# Altium PCB RoboFly.PcbDoc (part 2 of 2)
Units mm, origin at the board's own origin, x right, y up, seen from the top; angles counter-clockwise.
Board outline 75 x 75 mm, 2 copper layers (Top Layer, Bottom Layer); 111 components, 67 nets, 308 pads, 353 vias.
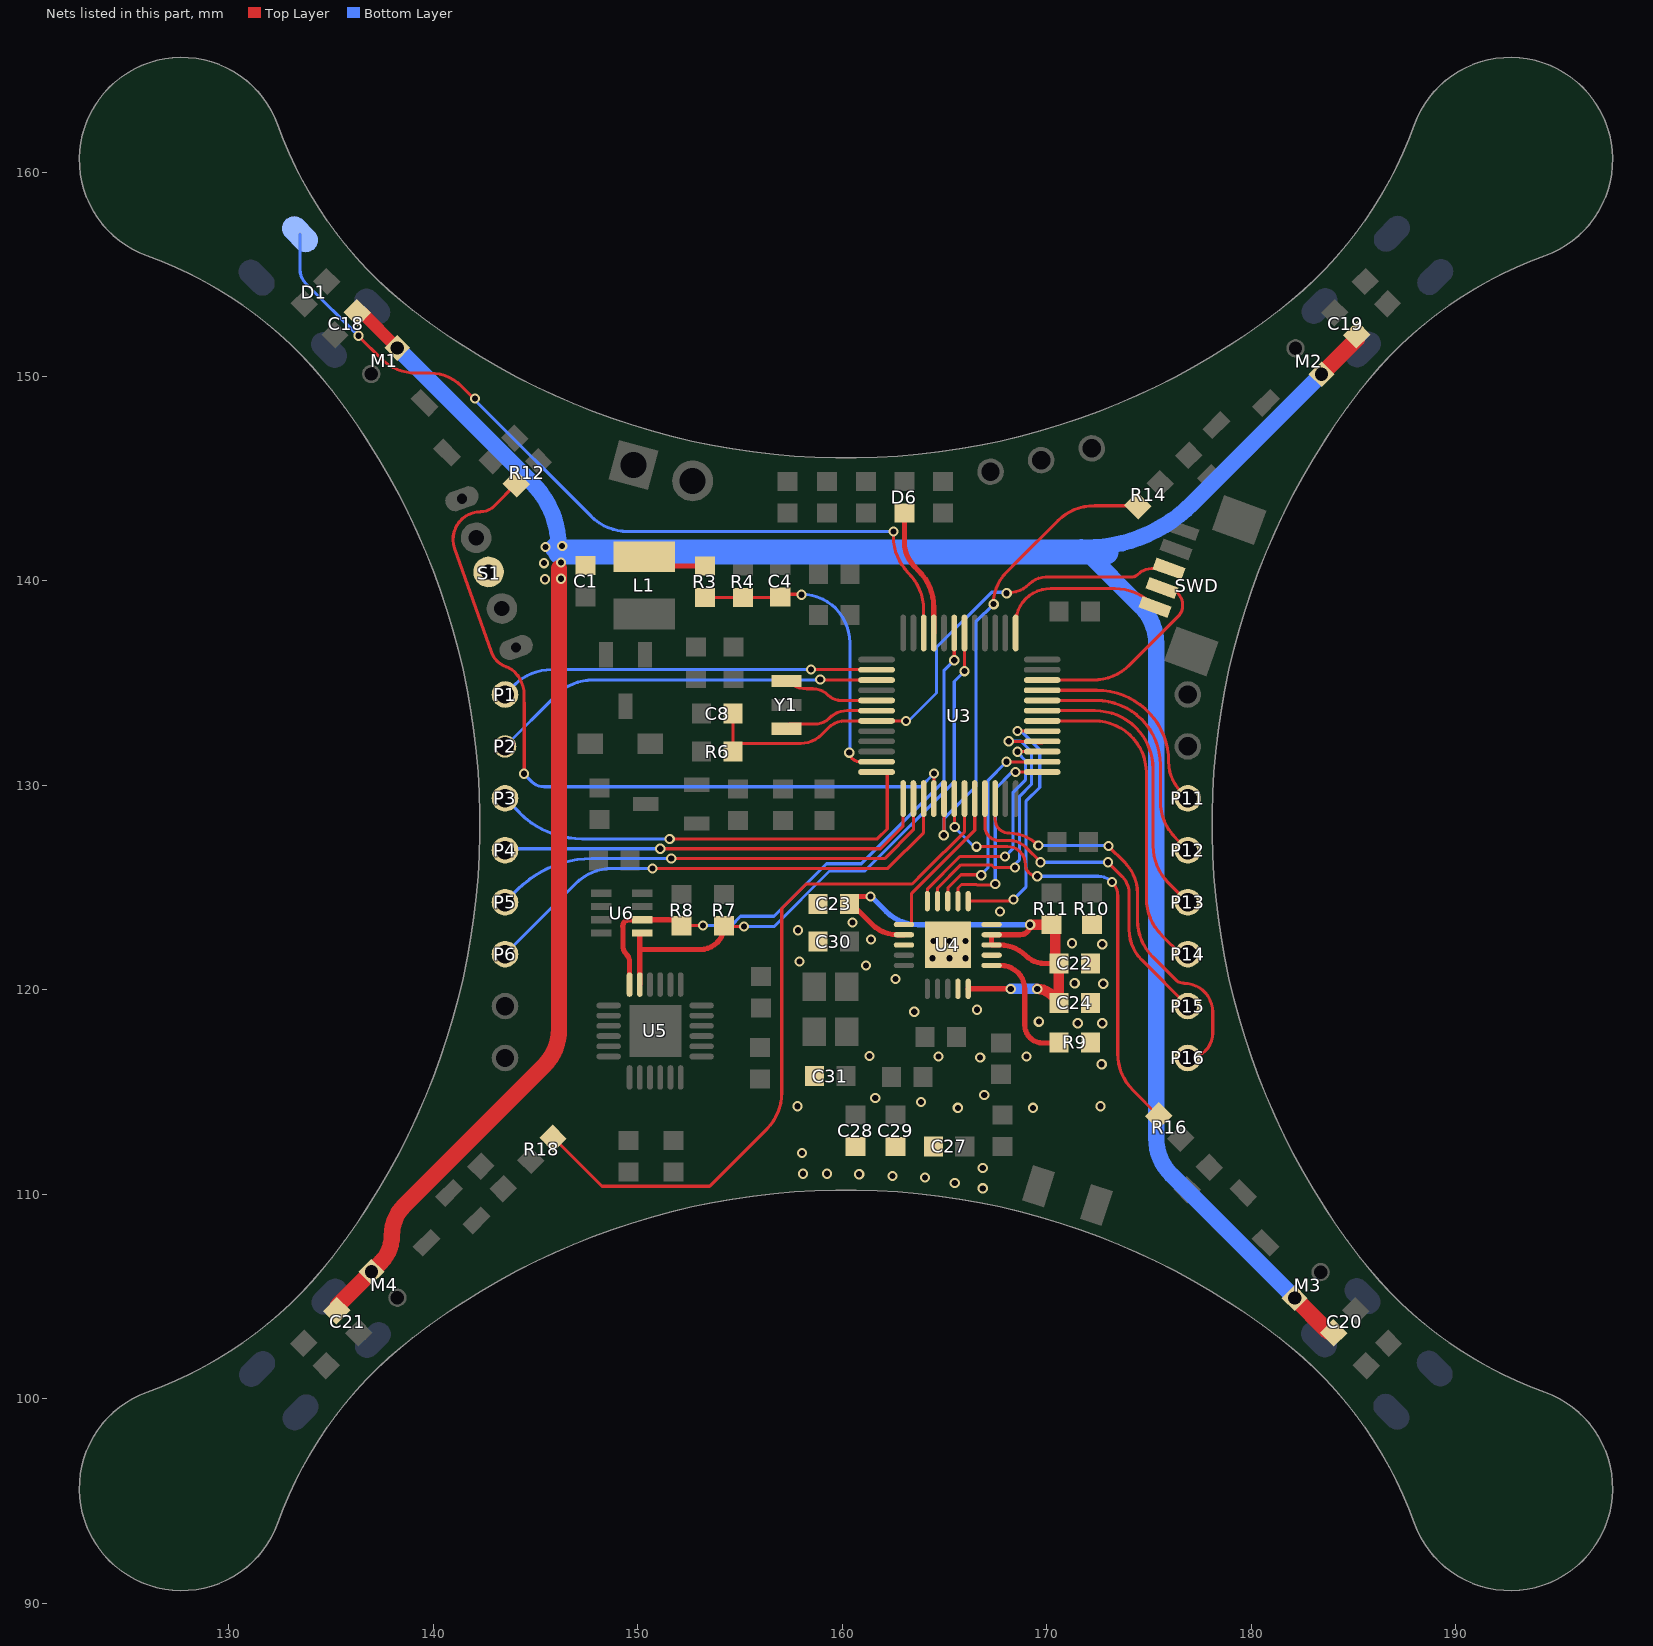
[diagram p2: the nets of this part, all layers, seen from the top]

## Via types
v1: diameter 0.5, hole 0.3, Top Layer to Bottom Layer, tented both sides, 346 vias
v2: diameter 1.2, hole 0.9, Top Layer to Bottom Layer, tented both sides, 4 vias
v3: diameter 0.6, hole 0.4, Top Layer to Bottom Layer, tented both sides, 3 vias

## Nets (pads, with @x,y where several pads share a name; then routed paths per layer and width w, separated by ;. In a path a pad name is that pad's centre, name@x,y a point inside that pad or via, vN(x,y) a via of type N, cw(c..) or ccw(c..) an arc to the next point about the centre after c; other vN are vias at no path point) (continued)
NetR9_1: R9.1 U4.16 | length 5.8
  Top Layer w0.254: U4.16@167.76,121.19 cw(c167.76,120.015) 168.935,120.015 168.935,118.262 ccw(c169.799,118.262) 169.799,117.399 R9.1@170.604,117.399
NetU3_5: U3.5 Y1.1 | length 4.7
  Top Layer w0.152: Y1.1@157.277,135.128 ccw(c158.258,136.109) 158.258,134.722 158.573,134.722 cw(c158.573,133.681) 159.309,134.417 ccw(c159.951,135.059) 159.951,134.151 U3.5@161.685,134.151
NetU3_6: U3.6 Y1.2 | length 4.5
  Top Layer w0.152: Y1.2@157.404,132.994 158.667,132.994 ccw(c158.667,133.992) 159.372,133.287 cw(c160.252,132.407) 160.252,133.651 U3.6@161.685,133.651
NRST: C8.2 R6.1 SWD.3 U3.7 | length 28
  Top Layer w0.152: C8.2@154.669,133.502 R6.1@154.669,131.648 155.075,132.055 157.977,132.055 ccw(c157.977,133.491) 158.993,132.475 159.334,132.817 cw(c160.141,132.01) 160.141,133.151 160.624,133.151 U3.7@161.685,133.151 v1@163.149,133.151 ; v1@168.046,139.421 168.122,139.421 ccw(c168.122,140.895) 169.164,139.852 cw(c169.961,139.055) 169.961,140.183 174.141,140.183 ccw(c174.141,140.616) 174.447,140.31 cw(c175.144,139.612) 175.144,140.598 SWD.3@175.989,140.598
  Bottom Layer w0.152: v1@163.093,133.147 163.246,133.147 164.617,134.518 164.617,136.754 167.31,139.446 167.985,139.446 cw(c167.985,139.359) v1@168.046,139.421
  other v1: 163.119,133.147 168.046,139.395
PA2: P3.1 U3.12 | length 22.3
  Top Layer w0.152: v1@151.536,127.381 161.722,127.381 162.204,127.864 U3.12@162.204,130.658
  Bottom Layer w0.152: P3.1@143.51,129.362 144.222,128.651 ccw(c147.287,131.716) 147.287,127.381 v1(151.562,127.381)
PA3: P4.1 U3.13 | length 21.7
  Top Layer w0.152: v1@151.13,126.898 161.874,126.898 162.985,128.009 U3.13@162.985,129.351
  Bottom Layer w0.152: P4.1@143.878,126.975 ccw(c143.878,126.454) P4.1@143.51,126.822 cw(c143.694,126.638) 143.694,126.898 v1(151.105,126.898)
PA4: P5.1 U3.14 | length 22.8
  Top Layer w0.152: v1(151.638,126.416) 162.077,126.416 163.485,127.823 U3.14@163.485,129.351
  Bottom Layer w0.152: P5.1@143.51,124.282 144.138,124.911 cw(c147.772,121.277) 147.772,126.416 ; 147.752,126.416 v1(151.638,126.416)
PA5: P6.1 U3.15 | length 24.5
  Top Layer w0.152: v1@150.724,125.937 162.234,125.937 163.985,127.688 U3.15@163.985,129.351
  Bottom Layer w0.152: P6.1@143.51,121.742 146.957,125.189 cw(c148.753,123.393) 148.753,125.933 v1(150.724,125.933)
PA9: P14.1 U3.30 | length 16.6
  Top Layer w0.152: U3.30@169.785,133.151 172.339,133.151 ; 172.538,133.151 172.339,133.151 ; P14.1@176.911,121.742 176.555,121.742 175.623,122.675 cw(c177.419,124.471) 174.879,124.471 174.879,130.611 ccw(c172.339,130.611) 172.339,133.151
PA10: P13.1 U3.31 | length 14.2
  Top Layer w0.152: U3.31@169.785,133.651 171.907,133.651 172.357,133.651 cw(c172.357,130.798) 175.209,130.798 175.209,127.036 ccw(c177.749,127.036) 175.953,125.24 P13.1@176.911,124.282
PA11: P12.1 U3.32 | length 12.2
  Top Layer w0.152: U3.32@169.785,134.151 172.424,134.151 cw(c172.424,131.01) 175.565,131.01 175.565,129.221 ccw(c178.105,129.221) 176.309,127.424 P12.1@176.911,126.822
PA12: P11.1 U3.33 | length 10.3
  Top Layer w0.152: U3.33@169.785,134.651 172.468,134.651 cw(c172.468,131.148) 175.971,131.148 ccw(c178.013,131.148) 176.569,129.704 P11.1@176.911,129.362
PB10: P15.1 U3.21 | length 19.1
  Top Layer w0.152: U3.21@166.985,129.351 166.985,127.985 ccw(c167.665,127.985) 167.665,127.305 168.153,127.305 cw(c168.153,126.091) 169.012,126.949 169.679,126.281 cw(c169.636,126.238) v1(169.697,126.238) ; v1(172.999,126.238) 173.702,125.536 cw(c172.884,124.717) 174.041,124.717 174.041,122.936 ccw(c176.126,122.936) 174.651,121.462 P15.1@176.911,119.202 175.242,120.871
  Bottom Layer w0.152: v1(169.697,126.238) 171.907,126.238 ; 172.009,126.238 171.907,126.238 ; v1(172.999,126.238) 171.907,126.238
PB11: P16.1 U3.22 | length 20.5
  Top Layer w0.152: U3.22@167.485,129.351 167.485,128.337 ccw(c168.162,128.337) 168.162,127.66 ; v1(169.596,127.051) 169.569,127.077 ccw(c168.162,125.67) 168.173,127.66 ; v1(173.025,127.025) 173.819,126.232 cw(c172.301,124.714) 174.447,124.714 ; 174.447,124.739 174.447,124.714 ; P16.1@176.911,116.662 ccw(c176.911,117.881) 178.13,117.881 178.13,118.902 ccw(c176.713,118.902) 176.713,120.32 cw(c176.713,120.884) 176.314,120.485 175.191,121.608 cw(c176.987,123.404) 174.447,123.404 174.447,124.714 ; 168.162,127.66 cw(c168.162,125.67) 168.173,127.66 ; 168.162,127.66 168.173,127.66
  Bottom Layer w0.152: v1(169.596,127.051) v1@173.05,127.051
PC13: P1.1 U3.2 | length 18.6
  Top Layer w0.152: v1@158.471,135.651 158.477,135.657 161.678,135.657 U3.2@161.685,135.651
  Bottom Layer w0.152: P1.1@143.51,134.442 143.985,134.917 cw(c145.781,133.121) 145.781,135.661 v1(158.471,135.661)
PC14: P2.1 U3.3 | length 19.4
  Top Layer w0.152: v1@158.928,135.151 U3.3@161.685,135.151
  Bottom Layer w0.152: P2.1@143.51,131.902 146.017,134.409 cw(c147.813,132.613) 147.813,135.153 v1@158.928,135.153
  other v1: 158.928,135.179
PWM1: R12.1 U3.16 | length 38.7
  Top Layer w0.152: 142.844,136.51 ccw(c143.933,136.901) 143.586,135.797 ; 142.844,136.515 141.042,141.603 cw(c142.316,142.037) 142.316,143.383 ccw(c142.316,144.303) 142.967,143.652 R12.1@144.058,144.744 R12.1@144.056,144.742 ; 143.548,135.803 cw(c143.183,134.696) 143.981,135.545 cw(c142.862,134.427) 144.444,134.427 144.444,134.061 144.45,134.055 v1@144.45,130.556 ; 143.585,135.796 143.588,135.795 ; U3.16@164.49,129.364 cw(c164.472,129.364) U3.16@164.485,129.351 164.485,130.576 v1(164.49,130.581)
  Bottom Layer w0.152: v1(144.432,130.563) 144.821,130.174 ccw(c145.415,130.768) 145.415,129.928 163.837,129.928 v1(164.49,130.581)
PWM2: R14.1 U3.17 | length 23.5
  Top Layer w0.152: v1(164.973,127.559) 164.973,129.339 U3.17@164.985,129.351 ; v1(167.411,138.862) 167.399,138.874 cw(c169.606,138.874) 168.045,140.435 168.567,140.957 170.543,142.933 cw(c172.339,141.137) 172.339,143.677 R14.1@174.462,143.677
  Bottom Layer w0.152: v1(164.973,127.559) 164.973,128.372 166.544,129.942 166.544,137.994 v1(167.411,138.862)
PWM3: R16.1 U3.18 | length 22.6
  Top Layer w0.152: U3.18@165.485,129.351 165.488,129.351 165.492,129.348 165.492,127.955 v1@165.557,127.889 ; v1(166.573,127) 168.097,127 cw(c168.097,126.136) 168.961,126.136 ccw(c169.545,126.136) v1(169.545,125.552) ; v1(173.203,125.273) cw(c172.528,124.598) 173.482,124.598 173.482,124.511 173.482,116.891 ; 173.482,116.876 ccw(c176.022,116.876) 174.226,115.08 R16.1@175.478,113.828
  Bottom Layer w0.152: v1@165.557,127.889 166.446,127 v1(166.573,127) ; v1(169.545,125.552) 172.441,125.552 172.528,125.552 cw(c172.528,124.598) v1(173.203,125.273)
  other v1: 165.506,127.965
PWM4: R18.1 U3.19 | length 35.8
  Top Layer w0.152: R18.1@145.883,112.762 148.257,110.388 152.781,110.388 153.086,110.388 153.518,110.388 156.304,113.175 ccw(c154.508,114.971) 157.048,114.971 157.048,123.977 158.242,125.171 163.424,125.171 163.995,125.743 ; 163.932,125.679 163.995,125.743 ; U3.19@165.985,129.351 165.989,129.347 165.989,127.737 163.995,125.743
RF_3V3: C22.1 C23.1 C24.1 R11.2 U4.7 U4.15 U4.18 U4.19 | length 27.5
  Top Layer w0.254: C23.1@160.358,124.231 cw(c160.358,124.067) 160.475,124.183 161.138,123.52 161.448,123.209 ccw(c162.702,124.463) 162.702,122.69 U4.7@163.024,122.69 ; C23.1@160.737,124.562 v1(161.392,124.562) ; U4.15@166.167,120.047 168.116,120.047 v1@168.123,120.04 ; v1(169.197,123.182) cw(c168.705,123.182) 168.705,122.69 U4.19@167.31,122.69 U4.18@167.31,122.19 167.721,122.19 cw(c167.721,120.401) 168.986,121.666 ccw(c169.906,122.586) 169.906,121.285 C22.1@170.604,121.285 C22.1@170.502,121.387 ; C24.1@170.225,119.759 C24.1@170.604,119.38
  Top Layer w0.508: v1(169.197,123.182) R11.2@170.231,123.182 ; v1(169.545,120.04) cw(c169.545,119.079) C24.1@170.225,119.759 ; C22.1@170.426,121.336 R11.2@170.426,122.86 ; C24.1@170.604,119.38 C22.1@170.604,121.285
  Bottom Layer w0.254: v1@161.404,124.574 162.142,123.836 ccw(c163.722,125.415) 163.722,123.182 v1(169.197,123.182)
  Bottom Layer w0.508: v1(168.25,120.04) 169.522,120.04 v1@169.529,120.047
RF_CE: U3.29 U4.1 | length 12.6
  Top Layer w0.152: U4.1@166.167,124.333 168.3,124.333 v1(168.377,124.409) ; v1(168.58,132.651) U3.29@169.785,132.651 U3.29@169.797,132.639
  Bottom Layer w0.152: v1(168.377,124.409) 168.986,125.019 168.986,129.214 169.668,129.896 169.668,131.741 v1@168.758,132.651
RF_CSN: U3.25 U4.2 | length 9.9
  Top Layer w0.152: U4.2@165.667,124.333 165.667,124.976 165.841,125.15 166.578,125.15 166.604,125.124 167.451,125.124 167.488,125.161 v1(167.488,125.171) ; v1@168.3,130.632 cw(c168.345,130.587) 168.345,130.651 U3.25@169.785,130.651 U3.25@169.778,130.658
  Bottom Layer w0.152: v1(167.488,125.171) 167.492,125.175 167.492,129.819 v1@168.304,130.632
  other v1: 168.478,130.658
RF_GND: C22.2 C23.2 C24.2 C27.1 C28.1 C29.1 C30.1 C31.1 R9.2 R10.2 U4.0 U4.8 U4.14 U4.17 U4.20
  other v1: 166.878,110.287 165.506,110.541 164.059,110.82 162.458,110.896 160.833,110.973 158.09,110.998 159.258,110.998 166.878,111.277 158.039,112.014 165.659,114.224 169.342,114.224 157.81,114.3 172.644,114.3 163.855,114.503 161.62,114.706 166.954,114.859 172.695,116.357 166.751,116.688 164.719,116.738 169.012,116.738 161.341,116.764 171.526,118.364 172.72,118.364 169.621,118.44 163.525,118.923 166.599,119.024 172.771,120.294 171.374,120.32 162.611,120.523 161.163,121.183 157.912,121.387 164.414,121.539 165.252,121.539 166.04,121.539 172.72,122.225 171.247,122.276 164.465,122.377 165.252,122.377 166.04,122.377 161.417,122.453 157.836,122.911 160.503,123.292 167.716,123.825
RF_IRQ: U3.20 U4.6 | length 7.5
  Top Layer w0.152: U4.6@163.398,123.165 163.398,124.714 166.485,127.801 U3.20@166.485,129.351
RF_MISO: U3.27 U4.5 | length 11.8
  Top Layer w0.152: U4.5@164.167,124.333 164.167,124.924 165.76,126.517 v1(167.97,126.517) ; v1@168.635,131.542 168.635,131.593 168.692,131.651 U3.27@169.785,131.651
  Bottom Layer w0.152: v1(167.97,126.517) 168.351,126.898 168.351,129.642 168.961,130.251 168.961,131.216 v1@168.635,131.542
  other v1: 168.584,131.644
RF_MOSI: U3.28 U4.4 | length 14.2
  Top Layer w0.152: U4.4@164.667,124.333 164.667,124.967 165.807,126.107 167.305,126.107 167.428,125.984 168.3,125.984 v1@168.453,126.136 ; v1(168.148,132.156) 168.153,132.151 U3.28@169.785,132.151 169.796,132.151 169.824,132.122 169.824,132.105 169.799,132.08 169.57,132.08 U3.28@169.524,132.127
  Bottom Layer w0.152: v1(168.148,132.156) 168.749,132.156 169.266,131.639 169.266,130.052 168.681,129.468 168.681,126.365 v1@168.453,126.136
  other v1: 168.453,125.984
RF_SCK: U3.26 U4.3 | length 10.4
  Top Layer w0.152: U4.3@165.167,124.333 165.176,124.342 165.176,124.993 165.811,125.628 166.776,125.628 v1(166.802,125.603) ; v1@168.021,131.14 U3.26@169.785,131.151
  Bottom Layer w0.152: v1(166.802,125.603) 166.802,125.628 167.128,125.955 167.128,130.22 v1@168.021,131.14
  other v1: 168.033,131.151
RGBLED: D1.2 U3.46 | length 41.3
  Top Layer w0.152: v1@136.347,151.968 136.373,151.968 ccw(c136.434,151.968) 136.391,151.925 137.427,150.889 ; 137.439,150.876 ccw(c139.156,152.593) 139.156,150.165 139.842,150.165 cw(c139.842,147.993) 141.378,149.529 141.986,148.92 v1(142.037,148.92) ; v1(162.509,142.418) 162.509,142.157 ccw(c165.008,142.157) 163.241,140.391 cw(c161.445,138.595) 163.985,138.595 U3.46@163.985,137.451
  Bottom Layer w0.152: D1.2@133.481,156.956 133.481,155.238 ccw(c134.455,155.238) 133.766,154.549 v1@136.347,151.968 ; v1(142.037,148.92) ccw(c142.221,148.92) 142.091,148.79 147.719,143.162 ccw(c149.515,144.958) 149.515,142.418 v1(162.509,142.418)
  other v1: 136.347,151.994
SCL: R7.2 U3.42 U5.23 U6.4 | length 29.2
  Top Layer w0.152: R7.2@154.229,123.131 154.272,123.088 v1(155.194,123.088) ; U3.42@165.985,137.451 165.985,135.488 v1@165.989,135.484
  Top Layer w0.254: U5.23@150.101,120.256 150.101,121.971 ; U6.4@150.226,122.774 150.101,122.774 150.101,121.971 ; R7.2@154.229,123.131 cw(c153.068,123.131) 153.068,121.971 150.101,121.971
  Bottom Layer w0.152: v1(155.194,123.088) 156.667,123.088 159.385,125.806 161.112,125.806 165.485,130.179 165.485,135.081 165.887,135.484 v1@165.989,135.484
  other v1: 165.989,135.585
SDA: R8.2 U3.43 U5.24 U6.3 | length 29
  Top Layer w0.152: R8.2@152.146,123.131 152.154,123.139 v1(153.187,123.139) ; v1(165.485,136.119) U3.43@165.485,137.451
  Top Layer w0.254: 149.269,123.106 cw(c149.587,123.106) 149.587,123.424 U6.3@150.226,123.424 R8.2@151.853,123.424 ; 149.276,123.106 149.276,122.136 ccw(c149.796,122.136) 149.428,121.768 cw(c149.012,121.351) 149.601,121.351 U5.24@149.601,120.256 ; 149.53,123.419 cw(c149.535,123.419) 149.535,123.424
  Bottom Layer w0.152: v1@153.111,123.139 154.568,123.139 155.025,123.596 156.667,123.596 159.233,126.162 160.934,126.162 164.973,130.2 164.973,135.607 v1(165.485,136.119) ; v1@153.111,123.266 v1@153.111,123.292
SWCLK: SWD.1 U3.37 | length 8.5
  Top Layer w0.152: U3.37@168.485,137.451 168.485,137.922 cw(c170.187,137.922) 170.187,139.624 173.348,139.624 cw(c173.348,137.084) 175.144,138.88 SWD.1@175.305,138.719
SWDIO: SWD.2 U3.34 | length 9.9
  Top Layer w0.152: U3.34@169.785,135.151 172.275,135.151 ccw(c172.275,137.691) 174.071,135.895 176.424,138.247 ccw(c175.86,138.811) 176.657,138.811 ccw(c175.809,138.811) 175.809,139.659 SWD.2@175.647,139.659
USERLED: D6.2 U3.45 | length 6.3
  Top Layer w0.254: D6.2@163.043,143.324 163.043,141.917 ccw(c164.777,141.917) 163.551,140.691 163.741,140.5 cw(c161.945,138.704) 164.485,138.704 U3.45@164.485,137.451
VBAT: C1.1 C18.2 C19.2 C20.2 C21.2 L1.1 M1.1 M2.1 M3.1 M4.1 R3.2 S1.2 | length 147
  Top Layer w0.254: L1.1@150.051,140.724 151.46,140.724 R3.2@153.289,140.724
  Top Layer w0.508: M1.1@138.011,151.393 M1.1@138.236,151.393
  Top Layer w0.6: C18.2@136.507,153.122 M1.1@138.236,151.393
  Top Layer w0.8: C21.2@135.269,104.303 cw(c135.751,104.303) 135.41,104.644 M4.1@136.973,106.207 137.429,106.663 ccw(c136.117,107.975) 137.973,107.975 cw(c140.058,107.975) 138.583,109.45 145.408,116.274 ccw(c143.612,118.07) 146.152,118.07 146.152,140.614 ; M3.1@182.134,104.918 183.697,103.356 ccw(c184.037,103.697) C20.2@184.037,103.215 ; M2.1@183.448,150.105 185.177,151.834 C19.2@185.177,152.033
  Bottom Layer w0.8: M1.1@138.236,151.393 144.838,144.792 cw(c141.728,141.681) v1@146.126,141.681 ; v1@146.126,141.656 cw(c146.188,141.594) v1@146.188,141.681 ; 171.694,141.641 171.755,141.58 171.78,141.58 174.618,138.742 cw(c172.822,136.946) 175.362,136.946 175.362,112.743 ccw(c177.902,112.743) 176.106,110.947 M3.1@182.134,104.918 ; 171.925,141.63 ccw(c171.925,148.992) 177.13,143.786 M2.1@183.448,150.105 ; 172.908,141.641 172.949,141.681
  Bottom Layer w1: 145.974,141.605 cw(c146.01,141.605) 146.01,141.641 ; 146.152,141.478 cw(c146.214,141.478) v1@146.214,141.541
  Bottom Layer w1.2: 146.214,141.414 148.585,141.414 172.908,141.414
  other v1: 145.466,140.081 146.253,140.106 145.415,140.868 146.253,140.894 145.491,141.656 146.304,141.707
VBAT_T: C4.2 R3.1 R4.2 U3.11 | length 16.4
  Top Layer w0.152: R3.1@153.289,139.184 156.911,139.184 ccw(c156.911,139.271) C4.2@156.972,139.209 cw(c157.107,139.209) 157.107,139.344 158.013,139.344 v1(158.013,139.319) ; v1(160.35,131.597) 160.35,131.674 ccw(c160.873,131.674) 160.873,131.151 U3.11@161.685,131.151 U3.11@160.894,131.151
  Bottom Layer w0.152: v1(158.013,139.319) 158.013,139.344 cw(c158.013,136.982) 160.376,136.982 v1@160.376,131.648
pads on no net: D4.4 E1.0 S1. S1.3 SWD.6 SWD.7 U3.4 U3.10 U3.38 U3.39 U3.40 U5.2 U5.3 U5.4 U5.5 U5.6 U5.7 U5.14 U5.15 U5.16 U5.17 U5.19 U5.21 U5.22 Y2.2 Y2.4

## Polygon pours and split planes (outlines as drawn)
RF_GND on Top Layer "Top Layer-No Net" (solid, remove dead copper, pour order 1000): 172.695,123.647 173.076,123.266 173.076,106.807 159.182,106.807 158.318,107.671 157.531,108.458 157.531,123.012 157.531,123.85 158.369,124.689 167.411,124.689 168.453,123.647
RF_GND on Bottom Layer "Top Layer-No Net" (solid, remove dead copper, pour order 1002): 159.131,124.689 167.411,124.689 168.453,123.647 172.669,123.647 173.076,123.241 173.076,114.046 172.796,113.767 171.983,113.767 169.164,113.767 168.504,113.106 168.504,108.433 158.877,108.433 157.505,109.804 157.505,123.063 159.131,124.689

## Keep-outs
Keep-Out Layer:
  lines w0.127: 129.166,98.783 cw(c130.149,98.094) 130.838,97.112 ; 129.167,98.784 ccw(c127.688,95.634) 130.839,97.112 ; 130.838,159.156 cw(c130.149,158.173) 129.166,157.484 cw(c127.688,160.634) 130.839,159.155 ; 191.21,98.783 ccw(c190.228,98.094) 189.539,97.112 ccw(c192.688,95.634) 191.21,98.784 ; 125.995,100.338 ccw(c127.688,95.634) 132.393,93.941 cw(c151.212,87.169) 138.981,102.993 cw(c160.188,75.555) 181.396,102.993 cw(c169.165,87.169) 187.984,93.941 ccw(c192.688,95.634) 194.381,100.338 cw(c201.153,119.157) 185.329,106.926 cw(c212.767,128.134) 185.329,149.341 cw(c201.153,137.11) 194.381,155.929 ccw(c192.688,160.634) 187.984,162.327 cw(c169.165,169.098) 181.396,153.274 cw(c160.188,180.713) 138.981,153.274 cw(c151.212,169.098) 132.393,162.327 ccw(c127.688,160.634) 125.995,155.929 cw(c119.224,137.11) 135.048,149.341 cw(c107.61,128.134) 135.048,106.926 cw(c119.224,119.157) 125.995,100.338 ; 189.538,159.155 cw(c192.688,160.634) 191.21,157.483 cw(c190.228,158.173) 189.539,159.156

## Other copper
Top Layer:
  region net VBAT: 141.961,140.437 cw(c142.723,140.437) 142.723,141.199 143.74,141.199 ccw(c143.74,143.28) 145.212,141.808 cw(c145.886,141.134) 145.886,142.088 151.867,142.088 151.867,140.284 147.041,140.284 146.482,139.725 146.482,136.449 145.796,136.576 145.745,137.175 ccw(c143.205,137.175) 145.001,138.971 144.856,139.116 ccw(c143.446,137.705) 143.446,139.7 142.646,139.7 cw(c142.646,140.386) 141.961,140.386
  pour cut-out: 158.14,125.73 158.159,125.382 ccw(c158.246,125.382) 158.185,125.321 158.166,125.349 cw(c158.227,125.288) 158.227,125.374 158.318,125.374 158.318,125.669 ccw(c158.231,125.669) 158.293,125.73
  region net NetC26_2: 168.3,112.166 168.3,112.141 ccw(c169.977,112.141) 169.977,110.465 169.977,110.312 cw(c169.672,110.312) 169.672,110.007 cw(c169.672,111.938) 167.742,111.938 167.742,112.192
  region net 3V3: 149.276,124.231 149.276,125.222 ccw(c149.2,125.222) 149.2,125.298 ccw(c149.2,125.019) 148.92,125.019 148.92,124.663
  region net 3V3: 149.149,125.959 149.149,125.908 cw(c148.133,125.908) 148.133,124.892 148.133,124.79 ccw(c148.361,124.79) 148.361,124.562 ccw(c148.361,125.781) 149.581,125.781 149.606,126.009 149.581,126.06
  pour cut-out: 158.217,134.442 158.217,133.198 156.337,133.198 156.337,133.731 156.54,133.731 156.54,133.629 158.013,133.629 158.013,134.442
  pour cut-out: 156.464,134.137 156.464,134.671 156.616,134.671 156.616,134.442 158.013,134.442 158.013,134.239 156.515,134.239 156.515,134.137
  pour cut-out: 148.768,124.282 148.768,123.85 147.574,123.85 147.574,123.901 148.717,123.901 148.717,124.231 147.574,124.231 147.574,124.282
  pour cut-out: 150.774,124.511 149.682,124.511 149.682,124.968 150.089,124.968 150.089,124.892 149.733,124.892 149.733,124.562 150.698,124.562 150.698,124.892 150.343,124.892 150.343,124.968 150.774,124.968
  pour cut-out: 147.625,123.038 148.92,123.038 148.92,122.403 148.361,122.403 148.361,122.606 148.717,122.606 148.717,122.936 147.726,122.936 147.726,122.606 148.082,122.606 148.082,122.403 147.625,122.403
  pour cut-out: 170.866,124.104 170.866,123.698 170.536,123.698 170.536,124.308 170.815,124.308
  region net 3V3: 159.385,137.033 159.385,135.941 160.858,135.941 160.858,137.033
  pour cut-out: 168.453,112.522 173.101,112.522 173.228,112.649 173.228,112.446 174.523,111.15 174.523,107.239 173.711,107.239 173.558,107.391 173.609,107.442 173.609,110.642 171.882,112.37 168.427,112.37
  region net 3V3: 152.273,130.277 152.197,130.2 152.197,129.591 149.428,126.822 149.149,126.822 149.149,126.416 149.962,126.416 152.908,129.362 152.908,130.251 152.883,130.277
  pour cut-out: 167.208,111.76 167.208,108.636 167.234,108.61 167.818,108.61 167.818,111.582 167.538,111.862
  region net 3V3: 153.568,132.105 153.568,130.658 153.924,130.302 156.82,130.302 157.124,129.997 157.124,129.591 156.896,129.362 152.603,129.362 152.273,129.692 152.273,131.699 152.679,132.105
  region net NetC5_1: 148.311,132.512 148.311,130.861 149.758,129.413 151.003,129.413 151.003,128.753 149.149,128.753 148.488,129.413 147.65,129.413 147.066,129.997 147.066,132.512
  region net 5V: 149.047,134.493 150.114,134.493 151.308,135.687 155.169,135.687 155.169,134.747 152.146,134.747 151.232,133.833 151.232,131.521 150.012,131.521 150.012,132.315 149.047,133.265
  region net NetL1_2: 148.107,137.084 149.479,138.455 150.266,138.455 150.266,137.922 148.742,136.398 148.107,136.398
  region net 3V3: 170.053,126.746 170.053,129.134 170.993,129.134 170.993,126.746
  region net 3V3: 164.033,132.69 167.132,132.69 167.284,132.537 167.284,131.801 167.157,131.674 163.754,131.674 163.551,131.877 163.551,132.207
  region net 3V3: 160.858,143.662 159.385,143.662 159.385,142.875 159.918,142.875 159.918,136.042 160.858,136.042
  region net 3V3: 156.312,131.064 156.642,131.394 159.563,131.394 159.563,129.362 156.312,129.362
Bottom Layer:
  region net VBAT: 146.253,139.7 ccw(c146.253,142.153) 147.988,140.418 148.006,140.437 cw(c148.926,139.517) 148.926,140.818 149.606,140.818 ccw(c149.361,140.818) 149.534,140.991 149.454,141.072 ccw(c149.392,141.01) 149.392,141.097 146.634,141.097 ccw(c146.634,139.871) 145.767,140.738 145.72,140.691 ccw(c145.781,140.629) 145.694,140.629 145.694,139.979
  region net VBAT: 145.136,141.224 145.136,142.864 ccw(c142.596,142.864) 144.392,144.66 144.348,144.704 144.545,144.901 cw(c144.805,144.641) 144.805,145.009 cw(c144.805,144.886) 144.892,144.973 148.031,141.834 147.895,141.697 cw(c146.507,143.085) 146.507,141.122
  region net VBAT: 144.78,145.39 147.414,142.755 ccw(c149.21,144.551) 149.21,142.011 150.444,142.011 cw(c150.444,140.785) 151.311,141.652 151.384,141.58 151.384,141.332 cw(c151.124,141.332) 151.308,141.148 cw(c151.246,141.209) 151.246,141.122 146.558,141.122 cw(c147.478,142.042) 146.177,142.042 146.177,142.392 ccw(c144.092,142.392) 145.566,143.867 144.374,145.059
  region net VBAT: 145.912,142.113 ccw(c145.912,141.159) 145.237,141.834 ccw(c145.482,141.588) 145.136,141.588 145.136,140.005 ccw(c145.44,140.005) 145.44,139.7 146.507,139.7 ccw(c146.507,140.106) 146.914,140.106 146.914,141.55 ccw(c146.351,141.55) 146.351,142.113
  region net 3V3: 159.944,130.962 159.944,137.033 159.385,137.033 159.385,130.962
  pour cut-out: 168.444,112.471 172.212,112.471 174.523,110.16 174.523,107.239 173.711,107.239 173.558,107.391 173.609,107.442 173.609,110.642 171.882,112.37 168.427,112.37
  pour cut-out: 167.386,112.471 167.386,108.458 168.605,108.458 168.808,108.661 168.808,112.471
  region net VBAT: 174.269,141.684 174.269,141.63 173.812,141.173 173.812,140.005 173.939,139.878 173.715,139.654 173.68,139.654 171.704,141.63
  region net 3V3: 166.853,133.706 168.58,133.706 170.053,132.232 170.053,128.194 170.993,128.194 170.993,132.537 169.113,134.417 166.853,134.417
  region net 3V3: 166.827,131.597 167.335,131.597 167.59,131.871 167.588,135.965 170.028,138.405 170.028,138.76 169.393,138.76 166.827,136.195
  region net 3V3: 156.312,131.166 162.509,131.166 164.033,132.69 164.414,132.69 164.541,132.563 164.541,132.283 162.712,130.454 156.312,130.454

## Silkscreen, mask and mechanical layers (free items; w line width, h text height)
Top Overlay:
  circle w0.25: c146.886,114.605 r0.155
  lines w0.15: 173.65,145.616 173.988,144.183 ; 173.66,145.618 166.13,143.84 166.466,142.419 173.99,144.196
  lines w0.2: 146.202,120.32 146.888,121.006 147.574,120.32 ; 146.736,120.726 146.736,120.752 ; 146.888,115.652 ccw(c146.888,114.605) 147.935,114.605 ; 146.888,120.955 146.888,114.605 153.238,114.605 ; 147.396,114.224 147.93,114.529 ; 147.955,114.529 148.184,113.995 ; 152.552,113.919 153.238,114.605 ; 152.552,115.291 153.238,114.605 ; 173.65,145.616 173.988,144.183
  lines w0.254: 154.703,111.07 156.134,113.919 ; 155.147,111.45 156.134,113.487 ; 155.538,111.784 156.134,113.055 ; 155.887,112.083 156.134,112.598 156.341,112.116 ; 156.134,112.624 156.65,112.063 ; 156.134,112.801 156.572,112.233 ; 156.134,113.182 156.811,111.715 ; 156.134,113.64 157.181,111.398 ; 156.134,114.021 157.555,111.078 ; 156.134,112.293 157.886,110.795 156.134,114.452 ; 156.134,112.293 154.381,110.795 156.134,114.452 ; 156.134,112.293 156.134,114.452
  text "蓝" at 178.184,150.439 h1.52 r315
  text "白" at 141.376,149.631 h1.52 r45
  text "红" at 181.678,147.049 h1.52 r315
  text "黑" at 137.668,146.228 h1.52 r45
  text "1" at 173.076,144.297 h0.9 r13
  text "0" at 166.726,142.773 h0.9 r13
  text "ON" at 139.929,141.884 h0.9 r290
  text "OFF" at 140.843,139.217 h0.9 r290
  text "y+" at 145.339,121.158 h2
  text "z+" at 147.066,114.783 h2
  text "x+" at 153.111,113.386 h2
  text "红" at 137.084,109.322 h1.52 r315
  text "黑" at 182.397,108.458 h1.52 r45
  text "蓝" at 140.487,105.994 h1.52 r315
  text "白" at 179.121,105.156 h1.52 r45
Bottom Overlay:
  drawing of 6180 lines, arcs and shapes, not listed
  text "M1" at 141.681,149.428 h4 r45
  text "M2" at 181.635,146.38 h4 r315
  text "PC13" at 148.539,133.96 h1.52
  text "GND" at 175.133,133.96 h1.52
  text "PC14" at 148.539,131.42 h1.52
  text "3V3" at 175.158,131.394 h1.52
  text "PA2/U2TX/ADIN2/T2C3" at 159.664,128.854 h1.52
  text "PA12/CANTX/USBDP" at 175.158,128.854 h1.52
  text "PA3/U2RX/ADIN3/T2C4" at 159.817,126.34 h1.52
  text "PA11/CANRX/USBDM" at 175.158,126.34 h1.52
  text "PA4/SPI1NSS/ADCIN4" at 159.207,123.8 h1.52
  text "PA10/U1RX/T1C3" at 175.158,123.774 h1.52
  text "PA9/U1TX/T1C2" at 175.158,121.26 h1.52
  text "PA5/SPI1SCK" at 153.899,121.209 h1.52
  text "5V" at 146.888,118.745 h1.52
  text "PB10/IIC2SCL/U3TX" at 175.158,118.694 h1.52
  text "PB11/IIC2SDA/U3RX" at 175.158,116.18 h1.52
  text "GND" at 148.158,116.129 h1.52
  text "2020-GAN" at 163.401,112.706 h1.8 r0.79
  text "M4" at 138.811,110.007 h4 r135
  text "M3" at 178.308,106.883 h4 r225
Top Solder:
  lines w0.152: 123.952,98.654 124.663,98.654 124.663,97.944 ; 123.952,157.607 124.663,157.607 124.663,158.317 ; 195.707,97.944 195.707,98.654 196.418,98.654 ; 195.707,158.317 195.707,157.607 196.418,157.607
  lines w0.254: 124.663,98.654 ccw(c127.686,95.631) 130.709,92.608 ; 124.663,157.607 cw(c127.686,160.63) 130.709,163.653 ; 189.661,92.608 ccw(c192.684,95.631) 195.707,98.654 ; 189.661,163.653 cw(c192.684,160.63) 195.707,157.607